# Altium PCB PCB_WOOD-WORKSHOP-REV1.PcbDoc
Units mm, origin at the board's own origin, x right, y up, seen from the top; angles counter-clockwise.
Board outline 151 x 101.09 mm, 2 copper layers (Top Layer, Bottom Layer); 43 components, 25 nets, 139 pads, 4 vias.
Unrouted connection lines stored in the file: 1.
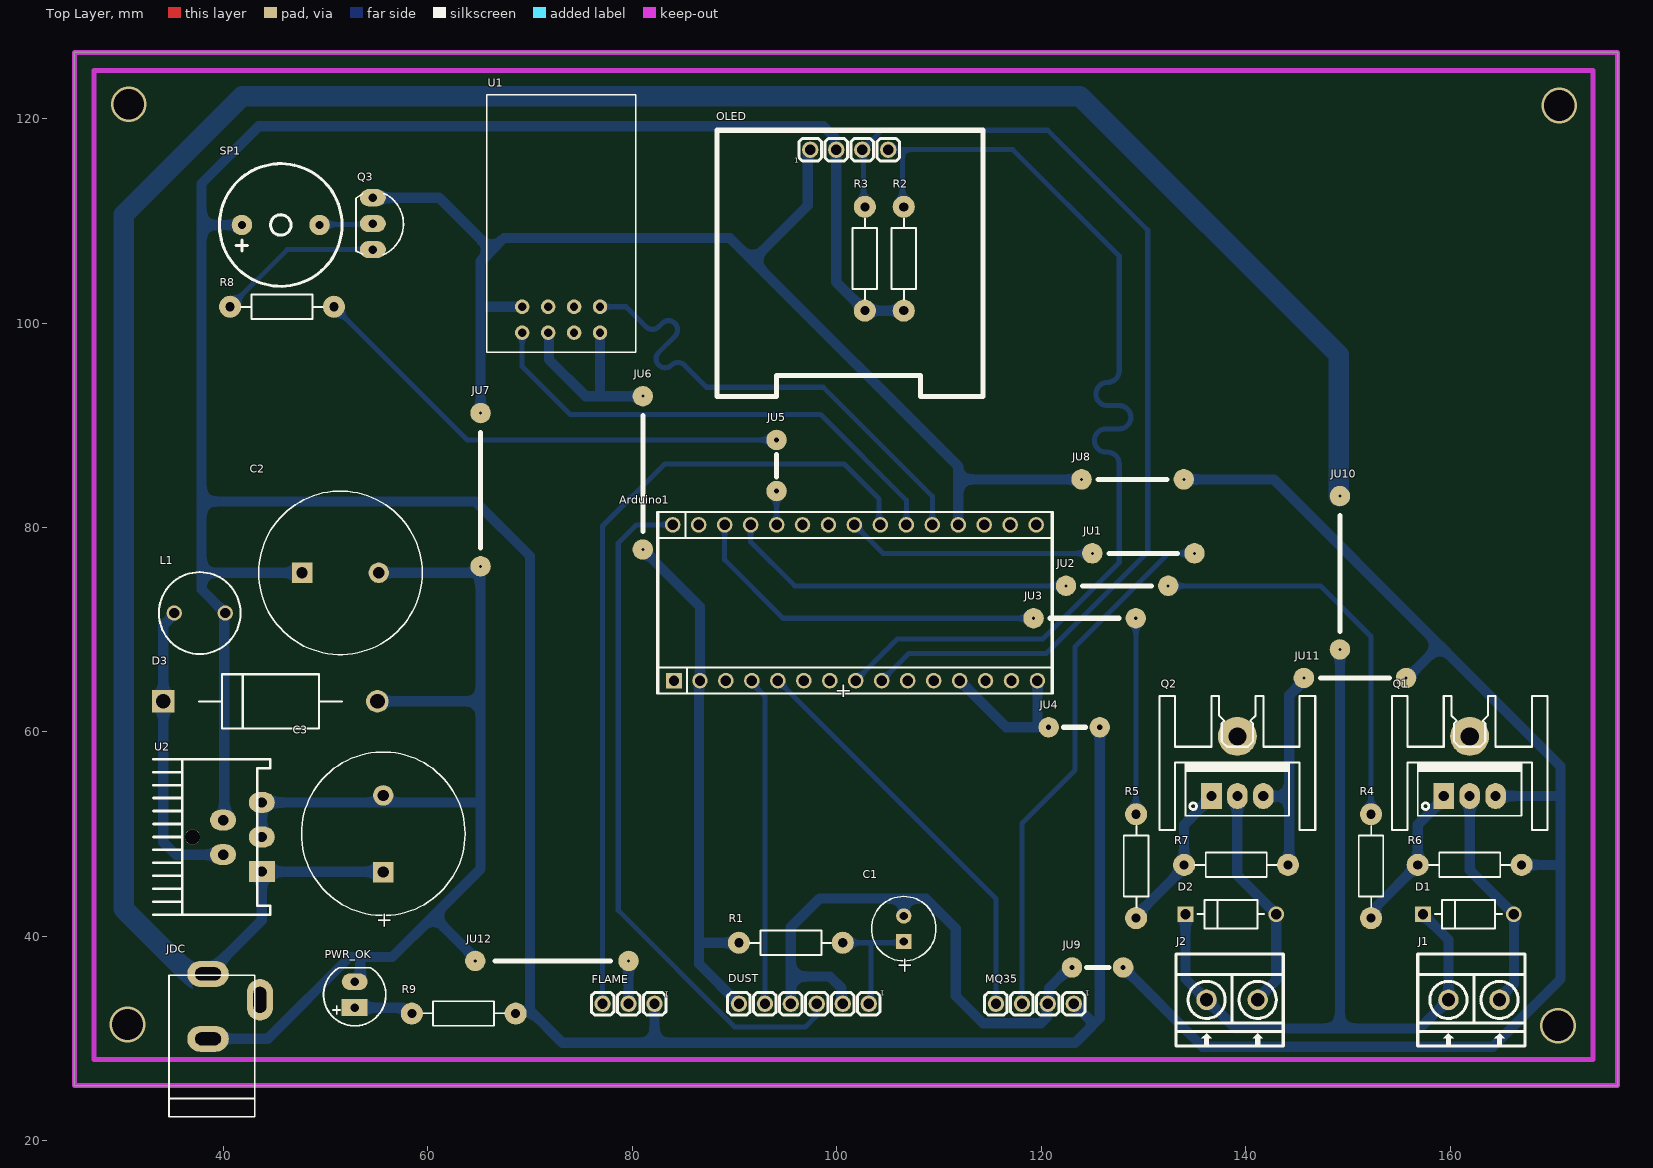
[diagram p0: Top Layer view]
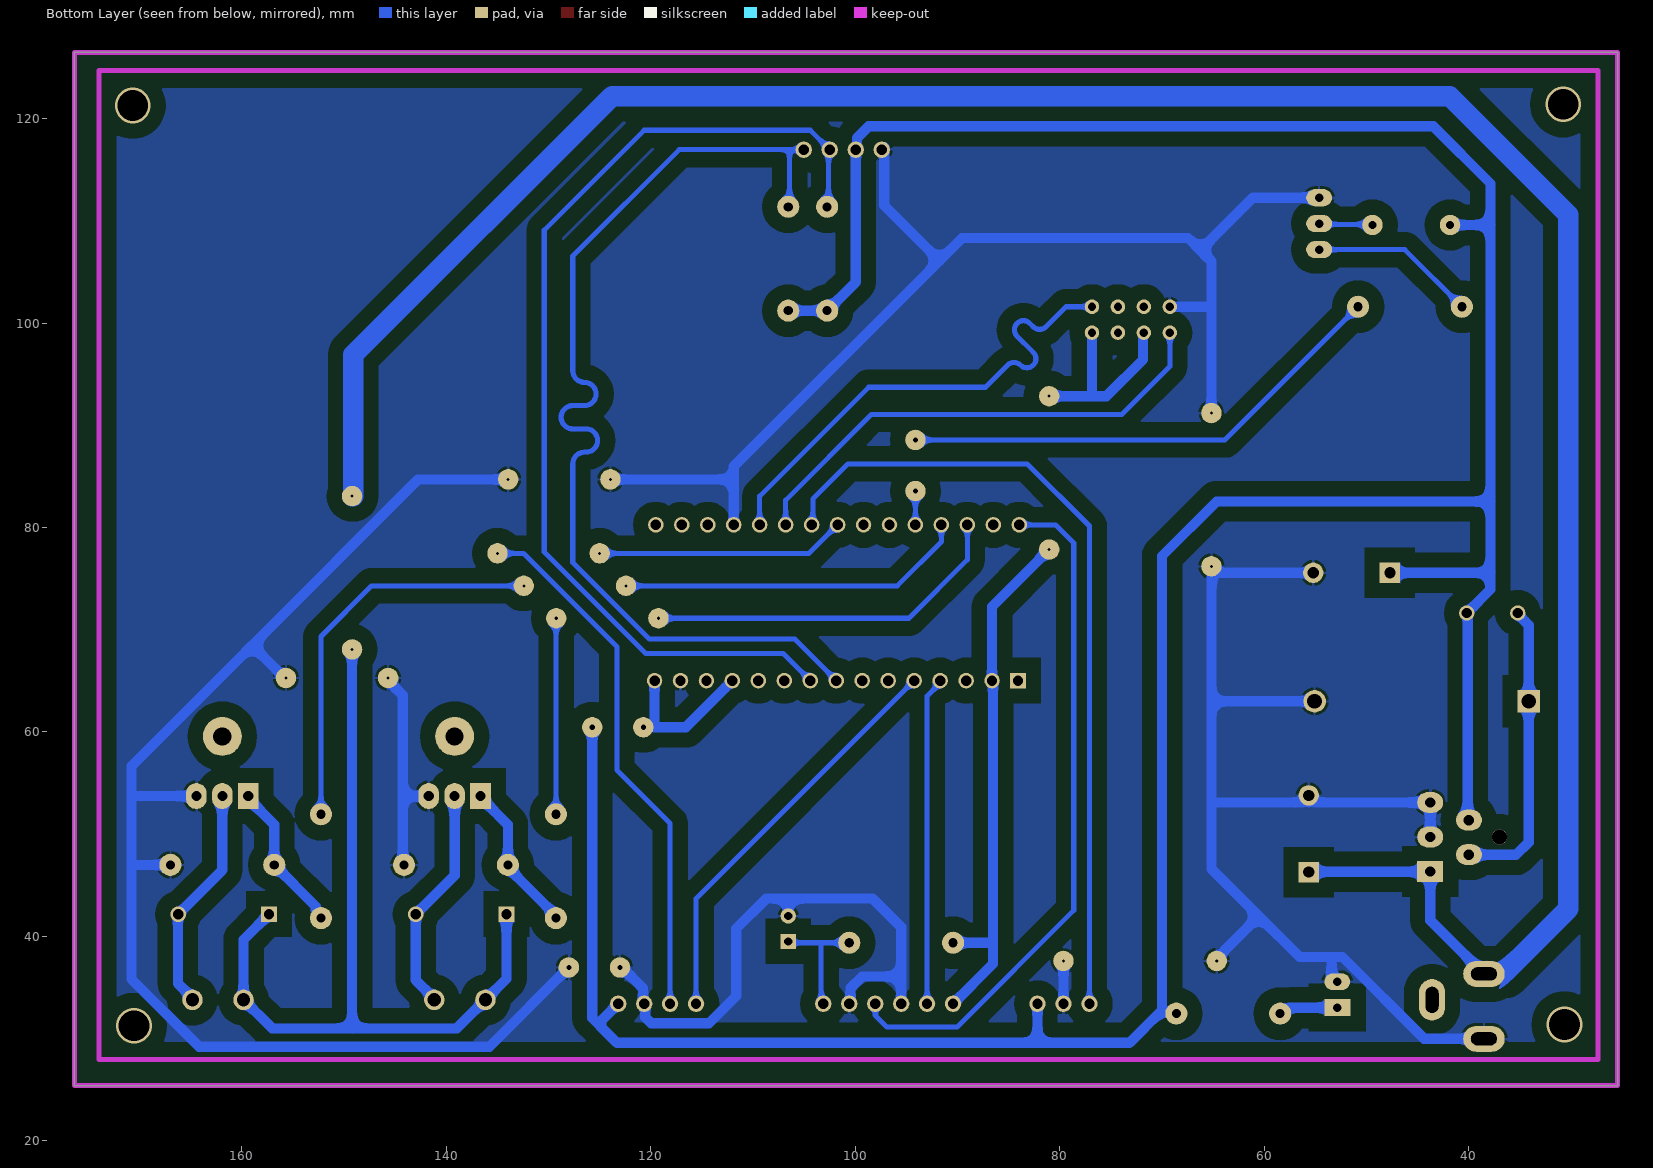
[diagram p1: Bottom Layer view, seen from below]

## Layer stack, top to bottom
Top Solder: solder mask 0.0102, Solder Resist, Dk 3.5
Top Layer: signal copper 0.0356
Dielectric 1: dielectric 0.32, FR-4, Dk 4.8
Bottom Layer: signal copper 0.0356
Bottom Solder: solder mask 0.0102, Solder Resist, Dk 3.5

## Board outline
25.4,25.4 176.403,25.4 176.403,126.492 25.4,126.492

## Design rules (kind name [scope] priority, off if disabled: settings)
Clearance [All] p1: gap=0.5 ignorepadtopadclearanceinfootprint=FALSE
MatchedLengths "Schematic Matched Net Lengths_1" [InNetClass('I2C')] p1: tolerance=0.2 checknetsindiffpair=FALSE checkdiffpairvsdiffpair=TRUE checkxsignals=TRUE checkothers=TRUE
MatchedLengths "Schematic Matched Net Lengths" [InNetClass('UART')] p2: tolerance=0.2 checknetsindiffpair=FALSE checkdiffpairvsdiffpair=TRUE checkxsignals=TRUE checkothers=TRUE
PolygonConnect [All] p1: connectstyle=Relief reliefconductorwidth=0.254 reliefentries=4 polygonreliefangle="90 Angle" airgapwidth=0.254
RoutingVias [All] p1: holewidth=1.5 width=1.5 viastyle="Through Hole" minholewidth=1.5 minwidth=1.5 maxholewidth=1.5 maxwidth=1.5
SolderMaskExpansion [All] p1: expansion=0.102 istentingtop=FALSE
Width [All] p1: maxlimit=2 minlimit=0.4 preferedwidth=0.5
30 further rules are at their usual default settings.

## Classes and differential pairs
net class UART: RXD TXD
net class I2C: SCL SDA

## Components (designator, comment, footprint, x,y, rotation, side; value= is the part's Value field where it differs from the comment)
Arduino1 "Arduino Nano" "Arduino Nano" 101.981,71.882 r270 top locked value="Cau 1A"
C1 "470uF" CA-ALU-6.3 106.553,40.747 r90 top value=104
C2 "1000uF" CA-ALU-16 51.435,75.565 r0 top value=104
C3 "100uF" CA-ALU-16 55.626,50.038 r90 top value=104
D1 "1N4007" FP-1N4007-MFG 161.798,42.164 r0 top value=15pF
D2 "1N4007" FP-1N4007-MFG 138.557,42.164 r0 top value=15pF
D3 "1N5822" FP-DO-201AD-MFG 44.577,62.992 r0 top
DUST "Header 6" "HEADER x6" 96.774,33.401 r180 top
FLAME "Header 3" "HEADER x3" 79.629,33.401 r180 top
J1 "Terminal" "Terminal x2 5mm" 162.346,33.782 r0 top
J2 "Terminal" "Terminal x2 5mm" 138.684,33.782 r0 top
JDC "Jack DC" DC0 41.021,33.147 r90 top value="Jac DC"
JU1 "JUMPER 5MM" "JUMPER 10MM" 135.001,77.47 r180 top
JU2 "JUMPER 5MM" "JUMPER 10MM" 132.428,74.295 r180 top
JU3 "JUMPER 5MM" "JUMPER 10MM" 129.253,71.12 r180 top
JU4 "JUMPER 5MM" "JUMPER 5MM" 125.73,60.452 r180 top
JU5 "JUMPER 5MM" "JUMPER 5MM" 94.107,83.566 r90 top
JU6 "JUMPER 5MM" "JUMPER 15MM" 81.026,77.851 r90 top
JU7 "JUMPER 5MM" "JUMPER 15MM" 65.151,76.2 r90 top
JU8 "JUMPER 5MM" "JUMPER 10MM" 133.952,84.709 r180 top
JU9 "JUMPER 5MM" "JUMPER 5MM" 128.016,36.957 r180 top
JU10 "JUMPER 5MM" "JUMPER 15MM" 149.225,68.072 r90 top
JU11 "JUMPER 5MM" "JUMPER 10MM" 155.702,65.278 r180 top
JU12 "JUMPER 5MM" "JUMPER 15MM" 79.629,37.592 r180 top
L1 "100uH" L-DIP-M-8 37.669,71.628 r0 top value="150 mH"
MQ35 "Header 4" "HEADER x4" 114.36,29.961 r180 top
OLED "OLED 1.3 inch" "OLED 0.96 inch" 97.409,116.967 r0 top locked
PWR_OK "LED" LED-5-RED 52.832,33.02 r90 top value="LED 3 ly Single Colour"
Q1 "IRF740" TO220H1 161.925,53.721 r0 top value=IRF840
Q2 "IRF740" TO220H1 139.192,53.721 r0 top value=IRF840
Q3 "S8050" TO92-123 54.61,109.728 r270 top value=C1815
R1 "1K" RES-1/4W 95.885,39.243 r0 top
R2 "10K" RES-1/4W 106.68,106.68 r90 top
R3 "10K" RES-1/4W 102.87,106.68 r90 top
R4 "1K" RES-1/4W 152.4,47.244 r90 top
R5 "1K" RES-1/4W 129.413,47.244 r90 top
R6 "1K" RES-1/4W 162.306,46.863 r0 top
R7 "1K" RES-1/4W 139.446,46.863 r0 top
R8 "1K" RES-1/4W 46.101,101.473 r0 top
R9 "1K" RES-1/4W 63.119,32.569 r180 top
SP1 "BUZZER" "Buzzer 5V 9x1.2mm" 45.593,109.601 r0 top
U1 "ESP-01" ESP8266 72.974,100.508 r180 top
U2 "LM2576" DIP5-T 39.497,49.696 r90 top

## Footprints (in the part's own frame and the unit in brackets; to place one, negate y for a bottom-side part, rotate by r counter-clockwise, add the part's x,y. Pads: shape width x height; smd on the part's side, far side on the other; paste and mask are expansions set on the pad)
"Arduino Nano" [mm]
  round 1.52 hole 1.02: 3V3(6.858,-15.367) 5V(6.858,10.033) A0(6.858,-10.287) A1(6.858,-7.747) A2(6.858,-5.207) A3(6.858,-2.667) A4(6.858,-0.127) A5(6.858,2.413) A6(6.858,4.953) A7(6.858,7.493) D2(-8.382,7.366) D3(-8.382,4.826) D4(-8.382,2.286) D5(-8.382,-0.254) D6(-8.382,-2.794) D7(-8.382,-5.334) D8(-8.382,-7.874) D9(-8.382,-10.414) D10(-8.382,-12.954) D11(-8.382,-15.494) D12(-8.382,-18.034) GND(-8.382,9.906) GND(6.858,15.113) REF(6.858,-12.827) RST(-8.382,12.446) RST(6.858,12.573) RX0(-8.382,14.986) TX1(-8.382,17.526) VIN(6.858,17.653)
  rect 1.52x1.52 hole 1.02: D13(6.858,-17.907)
  silkscreen extent -9.65,-19.55 8.13,19.18, body extent -9.65,-23.48 8.14,21.44, height 21.18
"Buzzer 5V 9x1.2mm" [mm] "Buzzer 5V 9x1.2mm"
  round 2 hole 0.8 mask+0.05: 1(-3.8,0) 2(3.8,0)
  silkscreen extent -6,-6 6,6, body extent -6,-6 6,6, height 8.5
CA-ALU-6.3 [mm] "Polarized capacitors, Aluminum Electrolytic Capacitors, 2-Leads, Body 6.3x15x2.5x0.5"
  rect 1.5x1.5 hole 0.8: 1(-1.25,0)
  round 1.5 hole 0.8: 2(1.25,0)
  silkscreen extent -3.15,-3.15 3.15,3.15, body extent -3.12,-3.15 3.18,3.15, height 11
CA-ALU-16 [mm] "Polarized capacitors, Aluminum Electrolytic Capacitors, 2-Leads, Body 16x21x7.5x0.8"
  rect 2x2 hole 1.1: 1(-3.75,0)
  round 2 hole 1.1: 2(3.75,0)
  silkscreen extent -8,-8 8,8, body extent -7.93,-7.96 7.99,8, height 21.31
DC0 [mil] "Jac DC input"
  oval 100x160 hole 50 slot 100 at 90 deg: 1(125,100) 2(-125,100)
  oval 160x100 hole 50 slot 100 at 0 deg: 3(25,-100)
  silkscreen extent -425,-80 120,250, body extent -410,-105 134,269, height 434
DIP5-T [mil]
  rect 80x100 hole 40: 1(-132,-167.09)
  oval 80x100 hole 40: 2(-67,-18) 3(1,-167) 4(66,-18) 5(134,-167)
  round 59.06 hole 59.06: ""(1,100)
  silkscreen extent -299,-200 301,250, body extent -199,-175 201,150, height 859
ESP8266 [mil]
  round 56 hole 32: 1(148,57) 2(48,57) 3(-52,57) 4(-152,57) 5(-152,-43) 6(-52,-43) 7(48,-43) 8(148,-43)
  silkscreen extent -290,-860 285,132, body extent -290,-858 281,118, height 566
FP-1N4007-MFG [mm]
  rect 1.55x1.55 hole 1 paste-1000 mask+0: 1(-4.44,0)
  round 1.55 hole 1 paste-1000 mask+0: 2(4.44,0)
  silkscreen extent -3.26,-1.4 3.26,1.4, body extent -5.32,-1.5 5.32,1.5, height 0.25
FP-DO-201AD-MFG [mm]
  rect 2.2x2.2 hole 1.45 paste-1000 mask+0: 1(-10.47,0)
  round 2.2 hole 1.45 paste-1000 mask+0: 2(10.47,0)
  silkscreen extent -7,-2.65 7,2.65, body extent -11.67,-2.75 11.67,2.75, height 0.25
"HEADER x3" [mm] "Header 3"
  round 1.6 hole 1 mask+0.1: 1(-2.54,0) 2(0,0) 3(2.54,0)
  silkscreen extent -3.64,-1.1 3.64,1.1, body extent -3.84,-1.3 3.78,1.24, height 5.94
"HEADER x4" [mm] "Header 4"
  round 1.6 hole 1 mask+0.1: 1(-8.83,-3.44) 2(-6.29,-3.44) 3(-3.75,-3.44) 4(-1.21,-3.44)
  silkscreen extent -9.93,-4.54 -0.11,-2.34, body extent -10.13,-4.74 0.03,-2.2, height 5.94
"HEADER x6" [mm] "Header 6"
  round 1.6 hole 1 mask+0.1: 1(-6.35,0) 2(-3.81,0) 3(-1.27,0) 4(1.27,0) 5(3.81,0) 6(6.35,0)
  silkscreen extent -7.45,-1.1 7.45,1.1, body extent -7.65,-1.3 7.59,1.24, height 5.94
"JUMPER 5MM" [mm]
  round 2 hole 0.5: 1(0,0) 2(5,0)
  silkscreen extent 1.4,0 3.56,0
"JUMPER 10MM" [mm]
  round 2 hole 0.3: 1(0,0) 2(10,0)
  silkscreen extent 1.65,0 8.38,0
"JUMPER 15MM" [mm]
  round 2 hole 0.3: 1(0,0) 2(15,0)
  silkscreen extent 1.78,0 13.08,0
L-DIP-M-8 [mm] "THT Inductor, 2-Leads, Body 8,0  mm"
  round 1.5 hole 1: 1(-2.5,0) 2(2.5,0)
  silkscreen extent -4,-4 4,4, body extent -3.97,-3.96 3.97,3.98, height 12.51
LED-5-RED [mil] "LED 2 PIN, 5 ly , Only colour,pin to pin 100mil"
  rect 65x100 hole 32: 1(0,0)
  oval 65x100 hole 32: 2(100,0)
  silkscreen extent -70,-120 154,120, body extent -65,-119 149,118, height 339
"OLED 0.96 inch" [mm]
  round 1.6 hole 1 mask+0.1: 1(0,0) 2(2.54,0) 3(5.08,0) 4(7.62,0)
  silkscreen extent -9.14,-24.13 16.89,1.91, body extent -1.3,-1.3 8.86,1.24, height 5.94
RES-1/4W [mil]
  round 85 hole 35: 1(-215,5) 2(185,5)
  silkscreen extent -173,-42 141,52, body extent -227,-42 197,52, height 95
"Terminal x2 5mm" [mm] "KF301 - 3P"
  round 2 hole 1.3 mask+0.1: 1(-2.5,0) 2(2.5,0)
  silkscreen extent -5.5,-4.5 5,4.5, body extent -5.6,-3.04 5,4.56, height 10
TO92-123 [mil] "TO-92"
  oval 66x100 hole 32: 1(-100,0) 2(0,0) 3(100,0)
  silkscreen extent -117,-65 120,118, body extent -109,-66 109,95, height 245
TO220H1 [mil] "TO-220 - 1-2-3"
  round 150 hole 70: 0(0,230)
  rect 80x100 hole 39: 1(-100,0)
  oval 80x100 hole 39: 2(0,0) 3(100,0)
  silkscreen extent -300,-130 300,385, body extent -246,-82 250,329, height 1000

## Part data
Arduino1: "Arduino NANO"
C1 C2 C3: library part CN-ALU-DIP, "Capacitor (Semiconductor SIM Model)", LatestRevisionDate=17-Jul-2002, LatestRevisionNote="Re-released for DXP Platform.", PackageReference=C1206, Publisher="Altium Limited"
D1 D2: library part CMP-123542-000001-1, "Rectifier diode 1000 V 1 A DO-41, ,", Capacitance=15pF, Forward Current=1A, Manufacturer=Diotec, Max Junction Temp=+175°C, Max Repetitive Reverse Voltage=1000V, Max Surge Forward Current=27A, Peak Reverse Current=5uA, Temperature="-50°C to +175°C", Temperature Range Low=-50°C, Automotive=No, Category=Diode, ComponentLink2Description=Datasheet, ComponentLink2URL=https://datasheet.octopart.com/1N4007-Diotec-datasheet-62346875.pdf, Device Class L1="Discrete Semiconductors", Device Class L2=Diodes, Device Class L3="Rectifier Diodes", Height=2.8mm, Ipc Land Pattern Name=DIOAD888W100L520D280, Lead Free=Yes, Manufacturer Part Number=1N4007, Octopart=https://octopart.com/1n4007-diotec-4040411, Package=1N4007, Reverse Voltage=1000V, RoHS=TRUE, Temperature Range High=+175°C
D3: library part CMP-12187-000025-1, "DIODE SCHOTTKY 40V 3A DO201AD", Forward Current=3A, Manufacturer=STMicroelectronics, Max Junction Temp=+150°C, Max Repetitive Reverse Voltage=40V, Max Surge Forward Current=80A, Package=DO-201AD, Peak Reverse Current=2mA, Temperature="to +150°C", Automotive=No, Category=Diode, ComponentLink2Description=Datasheet, ComponentLink2URL=https://www.st.com/resource/en/datasheet/1n5822.pdf, Device Class L1="Discrete Semiconductors", Device Class L2=Diodes, Device Class L3="Schottky Diodes", Digikey Description="DIODE SCHOTTKY 40V 3A DO201AD", Height=5.3mm, Lead Free=Yes, Manufacturer Part Number=1N5822, Mouser Description="Schottky Diodes & Rectifiers Vr/40V Io/3A BULK", Octopart=https://octopart.com/1n5822-stmicroelectronics-323225, RoHS=TRUE, Temperature Range High=+150°C
J1 J2: library part "Terminal x2", "Terminal x2"
JDC: library part DCIN, "Jac DC input"
L1: library part L-DIP-1, "Inductor"
OLED: library part "OLED 0.96 inch"
PWR_OK: "LED Single colour Green and Red"
Q1 Q2: library part IRF840, "MOSFET N - CHANNEL 500V - 0.75 - 8A - TO-220"
Q3: library part 2SC1815, "NPN 600mW, ECB"
R1 R2 R3 R4 R5 R6 R7 R8 R9: library part Res, "Res", Manufacturer="Generic Components", Class=Passive, Published=08/06/2000, Publisher="Altium Hobart Technology Centre", SubClass=R
SP1: library part Speaker, "Buzzer through hole (3V3/5V/12V)"
U1: library part ESP8266-01, "ESP-12 Wi-Fi Module"
U2: Max Input Voltage="12 V", Max Output Current="3 (6.0 peak) A", Max Output Voltage=mV, Temperature Range="-40 to +125 degC", Category=IC-Power, Min Input Voltage=mV, Min Output Voltage=mV, Mounting Technology="Surface Mount", Status=Unreleased, Supply Voltage=mV

## Via types
v1: diameter 3.5, hole 3, Top Layer to Bottom Layer, 4 vias

## Nets (pads, with @x,y where several pads share a name; then routed paths per layer and width w, separated by ;. In a path a pad name is that pad's centre, name@x,y a point inside that pad or via, vN(x,y) a via of type N, cw(c..) or ccw(c..) an arc to the next point about the centre after c; other vN are vias at no path point)
3V3: Arduino1.3V3 DUST.6 JU6.1 JU6.2 R1.1 U1.2 U1.4 | length 72.3
  Bottom Layer w1: U1.2 71.836,98.979 71.836,96.439 75.424,92.851 76.581,92.851 ; U1.4@76.962,98.933 76.962,99.06 U1.4 76.835,93.105 76.581,92.851 ; JU6.1 86.614,72.263 Arduino1.3V3 86.515,64.925 86.515,39.624 ; JU6.2 76.581,92.851 ; DUST.6 86.515,37.31 86.515,39.624 ; R1.1 86.769,39.37 86.515,39.624
5V: Arduino1.5V Arduino1.VIN C2.1 FLAME.1 JU4.1 JU4.2 L1.2 MQ35.1 OLED.2 R2.1 R3.1 R9.1 SP1.1 U2.4 | length 352.7
  Bottom Layer w1: U2.4 40.196,51.372 40.073,51.496 40.073,71.532 L1.2 40.034,71.628 40.034,71.763 37.846,73.951 37.846,75.565 ; SP1.1 41.793,109.357 41.549,109.601 37.846,109.601 ; C2.1 37.846,75.565 ; R9.1 68.802,32.664 70.079,32.664 ; FLAME.1 82.169,29.591 ; R2.1 R3.1 99.949,104.013 OLED.2 99.834,117.082 99.834,118.098 98.679,119.253 43.434,119.253 37.846,113.665 37.846,109.601 ; Arduino1.5V 112.141,65.024 112.141,64.897 116.586,60.452 119.634,60.452 119.634,64.897 Arduino1.VIN ; MQ35.1 124.841,31.75 124.841,31.115 ; JU4.1 125.476,60.452 125.73,60.198 125.73,32.004 125.158,31.432 124.841,31.115 ; 37.846,75.565 37.846,82.55 ; 37.846,82.55 64.643,82.55 69.977,77.216 69.977,32.766 70.079,32.664 ; 37.846,82.55 37.846,109.601 ; 70.079,32.664 73.152,29.591 82.169,29.591 ; 82.169,29.591 123.317,29.591 124.841,31.115
12V: C3.1 D1.1 D2.1 J1.1 J2.1 JDC.1 JU10.1 JU10.2 U2.1 | length 333.3
  Top Layer w1: U2.1 U2.1@43.827,46.343
  Bottom Layer w1: JDC.1 38.826,36.322 39.538,37.033 39.538,37.379 43.741,41.582 U2.1 43.954,46.343 43.981,46.316 55.598,46.316 C3.1 ; D2.1 133.985,42.032 134.117,41.9 134.117,35.849 J2.1 138.978,30.988 149.225,30.988 ; JU10.1 149.098,67.945 149.225,67.818 149.225,30.988 ; D1.1 159.846,39.676 J1.1 157.052,30.988 149.225,30.988
  Bottom Layer w2: JDC.1 38.378,36.425 36.473,36.425 30.226,42.672 30.226,110.617 41.811,122.202 123.797,122.202 149.112,96.887 149.112,83.072 JU10.2
BUZZ: Arduino1.D8 JU5.1 JU5.2 R8.2 | length 52.4
  Bottom Layer w0.5: R8.2@51.054,101.854 R8.2 63.834,88.566 JU5.2 ; Arduino1.D8 JU5.1
DUST_LED: Arduino1.D12 DUST.3 | length 67.8
  Bottom Layer w0.5: Arduino1.D12 80.391,80.264 78.613,78.486 78.613,42.545 90.043,31.115 96.901,31.115 98.019,32.233 98.019,33.376 DUST.3
DUST_VLED: C1.1 DUST.1 R1.2 | length 12.1
  Bottom Layer w0.5: R1.2 103.251,39.37 ; DUST.1 103.334,33.611 103.334,39.287 103.251,39.37 ; C1.1 106.426,39.37 103.251,39.37
DUST_VO: Arduino1.A0 DUST.5 | length 31.9
  Bottom Layer w0.5: Arduino1.A0@91.694,64.77 92.964,63.5 DUST.5
FLAME_D: Arduino1.D4 FLAME.3 | length 80.3
  Bottom Layer w0.5: FLAME.3 77.089,80.137 83.185,86.233 100.711,86.233 104.144,82.8 104.144,80.387 Arduino1.D4
GND: Arduino1.GND C1.2 C2.2 C3.2 D3.2 DUST.2 DUST.4 FLAME.2 JDC.2 JU7.1 JU7.2 JU8.1 JU8.2 JU9.1 JU9.2 JU11.1 JU11.2 JU12.1 JU12.2 MQ35.2 OLED.1 PWR_OK.2 Q1.3 Q2.3 Q3.1 R6.2 R7.2 U1.8 U2.3 U2.5 | length 455.4
  Bottom Layer w1: JDC.2 38.735,29.718 38.989,29.972 44.323,29.972 52.324,37.973 53.721,37.973 ; U2.3 U2.5 65.137,53.1 65.151,53.086 ; PWR_OK.2 53.1,35.56 53.401,35.861 53.401,37.653 53.721,37.973 ; Q3.1 61.087,112.268 66.23,107.124 ; D3.2 65.151,62.992 ; C2.2 64.643,75.565 65.151,75.057 ; JU12.2 64.629,37.86 60.515,41.974 ; JU7.1 65.151,75.057 ; JU7.2 65.151,101.346 ; U1.8 65.405,101.6 65.151,101.346 ; FLAME.2 JU12.1 ; DUST.4 95.504,36.068 ; OLED.1 97.155,117.221 97.155,111.506 91.757,106.108 ; DUST.2 100.469,33.516 100.469,34.913 99.314,36.068 95.504,36.068 ; C1.2 106.553,43.688 ; Arduino1.GND@111.887,80.264 111.887,84.709 ; JU9.2 122.809,36.957 120.765,34.913 120.765,33.516 120.535,33.286 120.535,32.082 119.949,31.496 114.3,31.496 111.633,34.163 111.633,40.767 108.712,43.688 106.553,43.688 ; JU8.2 111.887,84.709 ; JU9.1 135.783,29.19 164.191,29.19 170.815,35.814 170.815,46.736 ; JU8.1 142.748,84.709 159.004,68.453 ; Q2.3 144.273,53.721 ; R7.2@144.272,46.863 R7.2 144.145,47.117 144.273,47.245 144.273,53.721 ; JU11.2 145.702,65.007 144.273,63.579 144.273,53.721 ; JU11.1 155.829,65.278 159.004,68.453 ; Q1.3 170.688,53.721 170.815,53.594 ; R6.2 167.005,46.736 167.259,46.99 170.561,46.99 170.815,46.736 ; 53.721,37.973 56.515,37.973 60.515,41.974 ; 60.515,41.974 65.151,46.609 65.151,53.086 ; 65.151,53.086 65.151,62.992 ; 65.151,62.992 65.151,75.057 ; 65.151,101.346 65.151,106.045 66.23,107.124 ; 66.23,107.124 67.437,108.331 89.535,108.331 91.757,106.108 ; 91.757,106.108 111.887,85.979 111.887,84.709 ; 95.504,36.068 95.504,40.894 98.298,43.688 106.553,43.688 ; 159.004,68.453 170.815,56.642 170.815,53.594 ; 170.815,46.736 170.815,53.594
MOTOR1: Arduino1.D9 JU2.1 JU2.2 R4.2 | length 73.6
  Bottom Layer w0.5: Arduino1.D9 91.567,78.613 95.885,74.295 JU2.2 ; JU2.1 147.32,74.295 152.273,69.342 R4.2
MOTOR2: Arduino1.D10 JU3.1 JU3.2 R5.2 | length 55.2
  Bottom Layer w0.5: Arduino1.D10 89.027,76.835 94.742,71.12 JU3.2 ; JU3.1 129.253,70.899 129.27,70.882 129.27,51.959 R5.2
MQ35_A: Arduino1.A1 MQ35.4 | length 40.5
  Bottom Layer w0.5: Arduino1.A1 115.57,43.688 MQ35.4
MQ35_D: Arduino1.D5 JU1.1 JU1.2 MQ35.3 | length 77.3
  Bottom Layer w0.5: Arduino1.D5@101.727,79.988 Arduino1.D5 104.521,77.47 JU1.2 ; MQ35.3 118.11,51.054 123.317,56.261 123.317,68.326 132.461,77.47 JU1.1
NetD1_2: D1.2 J1.2 Q1.2 | length 22.3
  Bottom Layer w1: Q1.2 161.925,46.477 D1.2 166.274,42.128 166.274,35.402 164.846,33.974 J1.2
NetD2_2: D2.2 J2.2 Q2.2 | length 22.3
  Bottom Layer w1: Q2.2 139.192,45.969 D2.2 142.997,35.715 141.184,33.902 J2.2
NetD3_1: D3.1 L1.1 U2.2 | length 29.6
  Bottom Layer w1: L1.1@35.169,71.745 L1.1 35.169,71.493 34.107,70.431 D3.1 33.909,62.992 34.107,62.794 34.107,49.205 35.34,47.972 39.931,47.972 U2.2
NetPWR_OK_1: PWR_OK.1 R9.2 | length 5.8
  Bottom Layer w1: PWR_OK.1 57.529,33.02 58.106,32.442 R9.2
NetQ1_1: Q1.1 R4.1 R6.1 | length 14.9
  Bottom Layer w1: R4.1 152.273,42.097 152.779,42.603 152.779,42.924 R6.1 156.845,50.927 159.385,53.467 Q1.1
NetQ2_1: Q2.1 R5.1 R7.1 | length 15.2
  Bottom Layer w0.5: Q2.1 Q2.1@136.779,53.721
  Bottom Layer w1: R5.1 129.286,42.037 133.985,46.736 R7.1 133.985,50.927 136.009,52.951 136.136,52.951 136.779,53.594 Q2.1@136.779,53.721
NetQ3_2: Q3.2 SP1.2 | length 5.3
  Bottom Layer w0.5: SP1.2 49.52,109.728 49.584,109.664 54.546,109.664 Q3.2
NetQ3_3: Q3.3 R8.1 | length 16.5
  Bottom Layer w0.5: R8.1 46.228,107.188 Q3.3 Q3.3@54.737,107.061
RXD: Arduino1.D2 U1.5 | length 49.1
  Bottom Layer w0.5: U1.5 79.375,101.6 81.153,99.822 81.33,99.645 ccw(c81.956,100.271) 82.581,99.645 82.913,99.977 cw(c83.539,99.351) 84.165,99.977 cw(c83.539,99.351) 84.165,98.725 82.581,97.142 ccw(c83.207,96.516) 82.581,95.89 ccw(c83.207,96.516) 83.833,95.89 cw(c84.459,95.265) 85.085,95.89 87.122,93.853 87.249,93.726 88.604,93.726 98.679,93.726 109.347,83.058 Arduino1.D2 ; U1.5@77.085,101.6 U1.5@77.339,101.854
SCL: Arduino1.A5 OLED.3 R3.2 | length 101.2
  Bottom Layer w0.5: OLED.3 OLED.3@102.616,117.094 ; R3.2@102.616,111.828 OLED.3@102.616,117.094 ; R3.2 R3.2@102.743,111.828 ; Arduino1.A5 107.061,67.691 120.523,67.691 130.429,77.597 130.429,109.093 120.65,118.872 104.394,118.872 OLED.3@102.616,117.094
SDA: Arduino1.A4 OLED.4 R2.2 | length 101.2
  Bottom Layer w0.5: Arduino1.A4 105.918,69.088 120.142,69.088 127.635,76.581 127.635,85.981 127.635,86.231 ccw(c126.496,86.231) 126.496,87.37 126.349,87.37 cw(c126.349,88.509) 126.349,89.648 127.635,89.648 ccw(c127.635,90.787) 127.635,91.926 126.496,91.926 cw(c126.496,93.065) 126.496,94.204 ccw(c126.496,95.343) 127.635,95.343 127.635,100.296 127.635,106.553 117.221,116.967 106.426,116.967 ; OLED.4 106.426,116.967 ; R2.2 106.807,111.379 106.426,111.76 106.426,116.967
TXD: Arduino1.D3 U1.1 | length 48.7
  Bottom Layer w0.5: U1.1 69.215,95.758 73.914,91.059 84.074,91.059 91.567,91.059 98.425,91.059 106.807,82.677 Arduino1.D3
pads on no net: Arduino1.A2 Arduino1.A3 Arduino1.A6 Arduino1.A7 Arduino1.D6 Arduino1.D7 Arduino1.D11 Arduino1.D13 Arduino1.REF Arduino1.RST Arduino1.RX0 Arduino1.TX1 JDC.3 Q1.0 Q2.0 U1.3 U1.6 U1.7 U2.
copper on no net:
  other v1: 170.561,31.242 30.607,31.369 170.688,121.285 30.734,121.412

## Polygon pours and split planes (outlines as drawn)
GND on Bottom Layer "GND_L02_P000" (solid, pour order 0): 27.305,27.94 27.305,124.714 173.99,124.714 173.99,27.94

## Keep-outs
Keep-Out Layer:
  lines w0.5: 25.4,25.4 176.403,25.4 176.403,126.492 25.4,126.492 25.4,25.4 ; 27.305,27.94 173.99,27.94 173.99,124.714 27.305,124.714 27.305,27.94

## Text inside footprints (layer, text, board x,y; h text height)
C1: Top Overlay "+" at 107.29,36.272 h1.5 r90
C2: Top Overlay "+" at 99.822,63.373 h1.5
C3: Top Overlay "+" at 56.363,40.713 h1.5 r90
DUST: Top Overlay "1" at 104.704,34.671 h0.5 r180; Mechanical 1 "6" at 90.734,33.821 h0.8 r180; Mechanical 1 "5" at 93.204,33.771 h0.8 r180; Mechanical 1 "1" at 103.284,33.771 h0.8 r180; Mechanical 1 "2" at 100.884,33.771 h0.8 r180; Mechanical 1 "3" at 98.304,33.771 h0.8 r180; Mechanical 1 "4" at 95.804,33.771 h0.8 r180
FLAME: Top Overlay "1" at 83.629,34.601 h0.5 r180; Mechanical 1 "1" at 82.269,33.801 h0.8 r180; Mechanical 1 "2" at 79.869,33.801 h0.8 r180; Mechanical 1 "3" at 77.369,33.801 h0.8 r180
J1: Mechanical 1 "1" at 159.655,33.21 h1.2; Mechanical 1 "2" at 164.545,33.21 h1.2
J2: Mechanical 1 "1" at 135.993,33.21 h1.2; Mechanical 1 "2" at 140.883,33.21 h1.2
MQ35: Top Overlay "1" at 124.76,34.661 h0.5 r180; Mechanical 1 "4" at 115.86,33.761 h0.8 r180; Mechanical 1 "3" at 118.36,33.761 h0.8 r180; Mechanical 1 "2" at 120.96,33.761 h0.8 r180; Mechanical 1 "1" at 123.36,33.761 h0.8 r180
OLED: Top Overlay "1" at 95.839,115.707 h0.5; Mechanical 1 "1" at 97.239,116.607 h0.8; Mechanical 1 "2" at 99.639,116.607 h0.8; Mechanical 1 "3" at 102.239,116.607 h0.8; Mechanical 1 "4" at 104.739,116.607 h0.8